# Allegro board 6089-103-RevA_73.brd (continued)
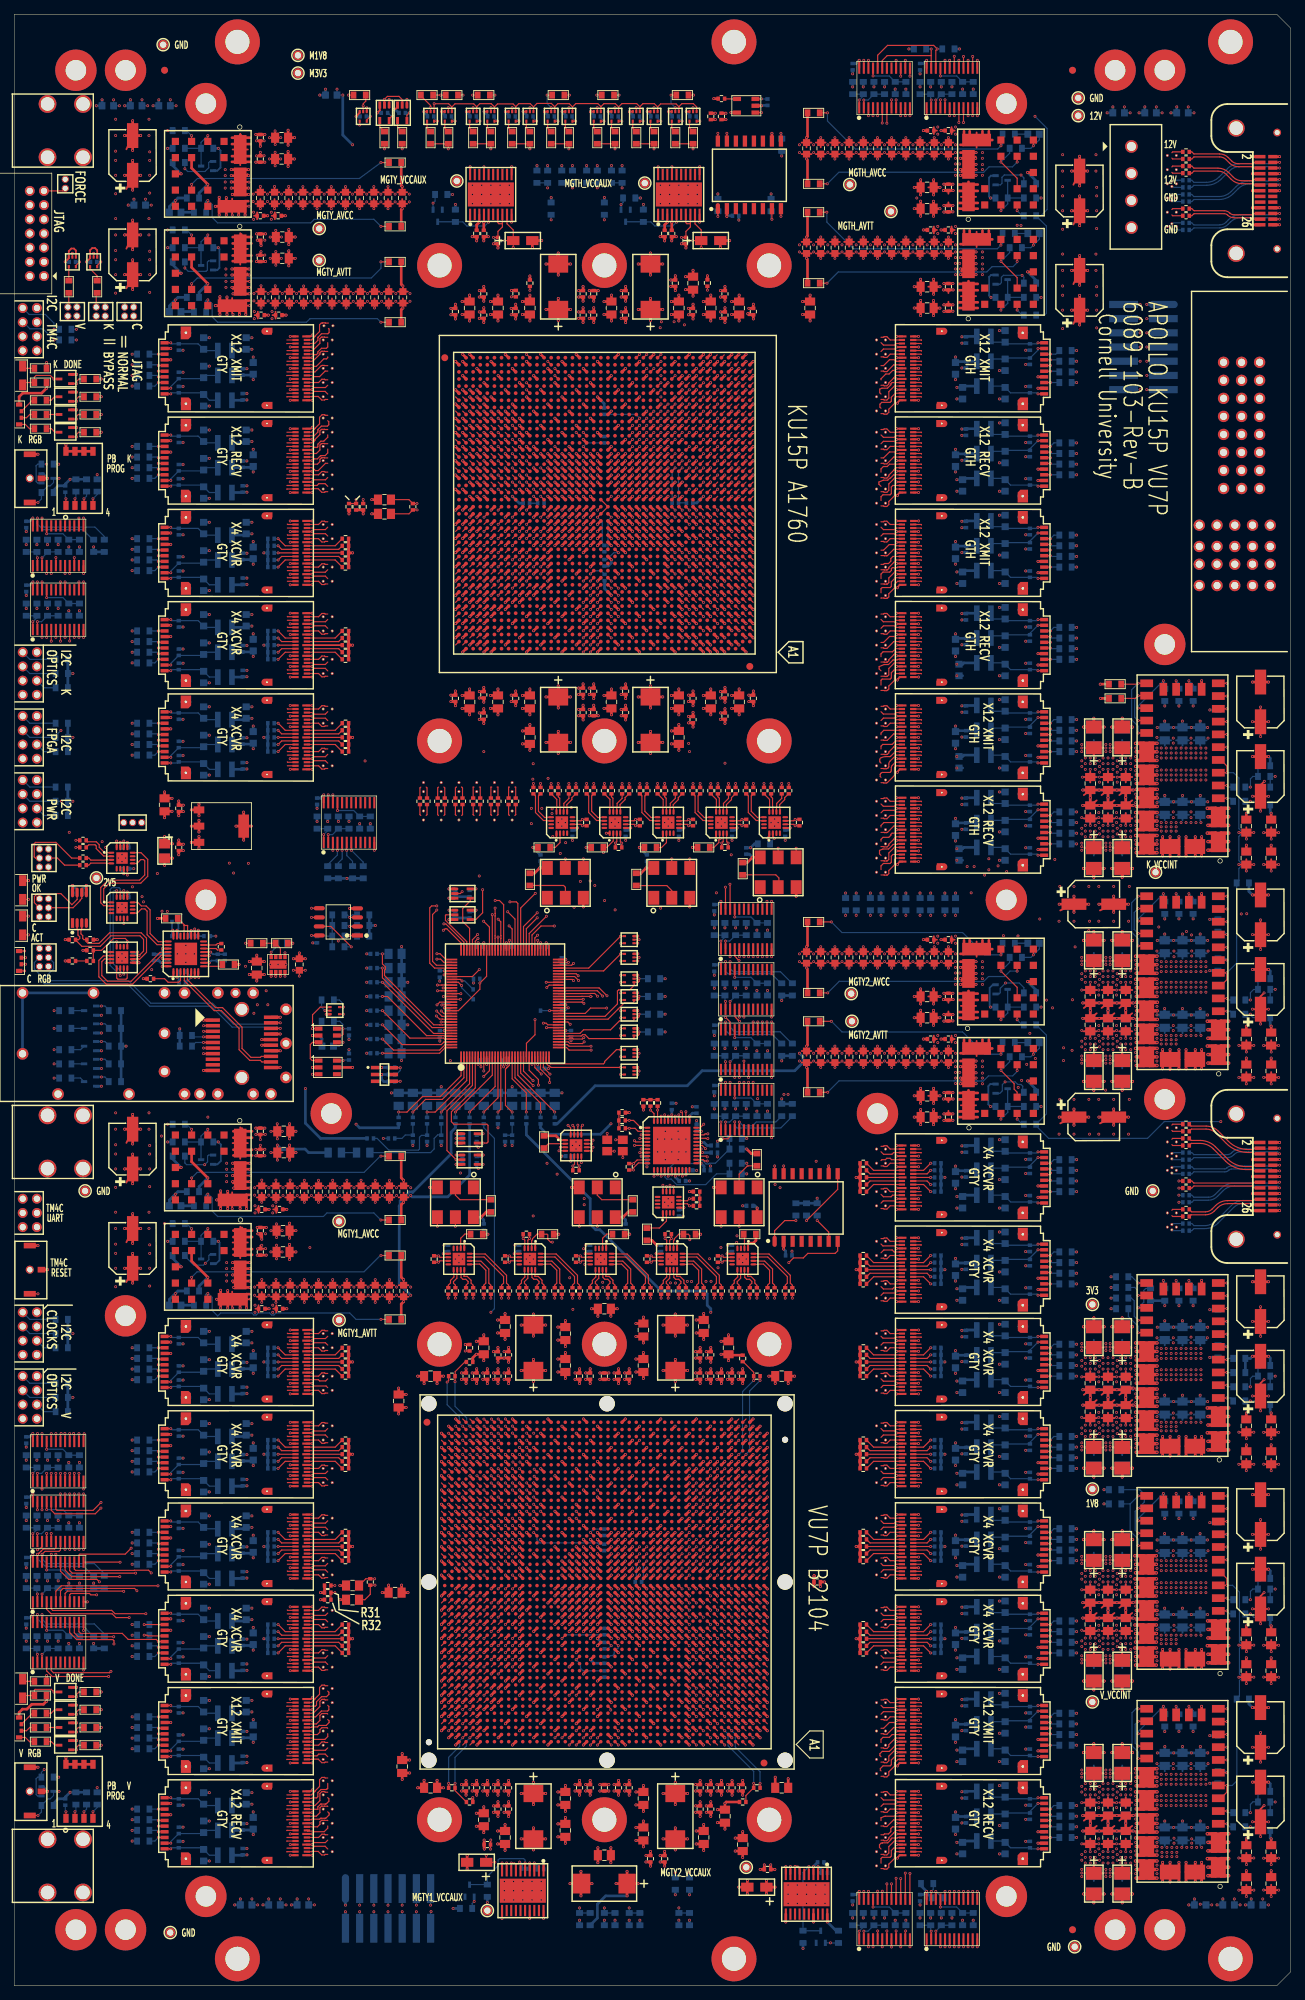
[diagram p0: board, top side]
## Routing (per net, layer and track width the routed paths; a pad name or vN(x,y) marks a point on that pad's centre or on a via; arc(x,y) is an arc through that point) (continued)
  GND4 w0.254: 121.15,161.09 VA98.4 ; VA98.4 121.38,160.49 ; VA98.4 121.24,160.58 ; VA98.4 121.18,160.9 ; VA98.4 121.24,161.22 ; VA98.4 121.15,160.71 ; VA98.4 121.56,160.52 ; VA98.4 121.56,161.28 ; 121.15,59.71 VA119.4 ; VA119.4 121.38,59.49 ; VA119.4 121.18,59.9 ; VA119.4 121.56,60.28 ; VA119.4 121.24,60.22 ; VA119.4 121.24,59.58 ; VA119.4 121.56,59.52 ; VA119.4 121.15,60.09 ; 44.84,210.52 VA11.4 ; VA11.4 45.25,211.09 ; VA11.4 45.22,210.9 ; VA11.4 44.84,211.28 ; VA11.4 45.16,210.58 ; VA11.4 45.16,211.22 ; VA11.4 45.25,210.71 ; VA11.4 45.02,211.31 ; 2.32,230.4 J2.8 ; J2.8 3.2,229.52 ; J2.8 3.2,231.28 ; J2.8 3.87,231.07 ; J2.8 2.53,229.73 ; J2.8 4.08,230.4 ; J2.8 2.53,231.07 ; J2.8 3.87,229.73 ; 43.38,83.49 43.56,83.9 ; 43.56,83.9 43.24,83.58 ; 43.56,83.9 43.15,83.71 ; 43.56,83.9 43.18,83.9 ; 43.56,83.9 43.24,84.22 ; 43.56,83.9 43.56,83.52 ; 43.56,83.9 43.56,84.28 ; 43.56,83.9 43.15,84.09 ; J1.7 4.87,247.57 ; J1.7 4.2,246.02 ; J1.7 4.2,247.78 ; J1.7 3.53,247.57 ; J1.7 3.53,246.23 ; J1.7 4.87,246.23 ; J1.7 5.08,246.9 ; J1.7 3.32,246.9 ; 121.18,22.9 VA133.4 ; VA133.4 121.15,22.71 ; VA133.4 121.56,23.28 ; VA133.4 121.15,23.09 ; VA133.4 121.56,22.52 ; VA133.4 121.38,22.49 ; VA133.4 121.24,22.58 ; VA133.4 121.24,23.22 ; VA12.4 45.25,205.71 ; VA12.4 45.16,205.58 ; VA12.4 45.25,206.09 ; VA12.4 44.84,206.28 ; VA12.4 45.22,205.9 ; VA12.4 45.16,206.22 ; VA12.4 45.02,206.31 ; VA12.4 44.84,205.52 ; J17.3 157.5,252.61 ; J17.3 157.5,250.48 ; J17.3 158.31,252.35 ; J17.3 156.69,252.35 ; J17.3 156.43,251.54 ; J17.3 158.31,250.74 ; J17.3 158.57,251.54 ; J17.3 156.69,250.74 ; 67.32,168.26 67.7,168.26 ; 67.7,168.26 67.51,167.85 ; 67.7,168.26 68.11,168.08 ; 67.7,168.26 68.08,168.26 ; 67.7,168.26 67.29,168.08 ; 67.7,168.26 68.02,167.94 ; 67.7,168.26 67.7,167.88 ; 67.7,168.26 67.38,167.94 ; 67.7,164.26 68.11,164.08 ; 67.7,164.26 67.32,164.26 ; 67.7,164.26 68.02,163.94 ; 67.7,164.26 67.29,164.08 ; 67.7,164.26 68.08,164.26 ; 67.7,164.26 67.51,163.85 ; 67.7,164.26 67.7,163.88 ; 67.7,164.26 67.38,163.94 ; 43.56,177.52 43.56,177.9 ; 43.56,177.9 43.56,178.28 ; 43.56,177.9 43.18,177.9 ; 43.56,177.9 43.15,177.71 ; 43.56,177.9 43.24,177.58 ; 43.56,177.9 43.38,177.49 ; 43.56,177.9 43.15,178.09 ; 43.56,177.9 43.24,178.22 ; VA128.3 123.02,34.31 ; VA128.3 123.25,33.71 ; VA128.3 123.22,33.9 ; VA128.3 123.25,34.09 ; VA128.3 123.16,34.22 ; VA128.3 122.83,34.28 ; VA128.3 122.83,33.52 ; VA128.3 123.16,33.58 ; 142.19,218.96 U105.G2 ; U105.G2 141.25,219.9 ; U105.G2 141.47,219.18 ; U105.G2 142.91,219.18 ; U105.G2 141.47,220.62 ; U105.G2 142.19,220.84 ; U105.G2 141.79,218.97 ; U105.G2 142.91,220.62 ; 121.18,31.9 VA129.4 ; VA129.4 121.24,32.22 ; VA129.4 121.56,31.52 ; VA129.4 121.56,32.28 ; VA129.4 121.24,31.58 ; VA129.4 121.38,31.49 ; VA129.4 121.15,32.09 ; VA129.4 121.15,31.71 ; 121.15,196.09 VA82.4 ; VA82.4 121.15,195.71 ; VA82.4 121.24,196.22 ; VA82.4 121.18,195.9 ; VA82.4 121.56,195.52 ; VA82.4 121.56,196.28 ; VA82.4 121.38,195.49 ; VA82.4 121.24,195.58 ; 43.24,173.58 43.56,173.9 ; 43.56,173.9 43.24,174.22 ; 43.56,173.9 43.15,173.71 ; 43.56,173.9 43.56,174.28 ; 43.56,173.9 43.18,173.9 ; 43.56,173.9 43.56,173.52 ; 43.56,173.9 43.38,173.49 ; 43.56,173.9 43.15,174.09 ; VA126.3 122.83,38.28 ; VA126.3 123.22,37.9 ; VA126.3 123.02,38.31 ; VA126.3 123.16,37.58 ; VA126.3 122.83,37.52 ; VA126.3 123.25,38.09 ; VA126.3 123.25,37.71 ; VA126.3 123.16,38.22 ; 43.24,32.22 43.56,31.9 ; 43.56,31.9 43.56,32.28 ; 43.56,31.9 43.15,31.71 ; 43.56,31.9 43.24,31.58 ; 43.56,31.9 43.38,31.49 ; 43.56,31.9 43.15,32.09 ; 43.56,31.9 43.18,31.9 ; 43.56,31.9 43.56,31.52 ; VA14.3 45.25,199.71 ; VA14.3 45.16,199.58 ; VA14.3 45.16,200.22 ; VA14.3 44.84,199.52 ; VA14.3 44.84,200.28 ; VA14.3 45.22,199.9 ; VA14.3 45.25,200.09 ; VA14.3 45.02,200.31 ; 37.31,127.99 U13.25 ; U13.25 38.31,128.99 ; U13.25 39.07,127.23 ; U13.25 39.07,128.75 ; U13.25 39.32,127.99 ; U13.25 37.55,127.23 ; U13.25 38.31,126.98 ; U13.25 37.55,128.75 ; 172.07,204.82 P1.P2-6 ; P1.P2-6 172.81,205.06 ; P1.P2-6 173.05,205.8 ; P1.P2-6 172.81,206.54 ; P1.P2-6 171.33,206.54 ; P1.P2-6 172.07,206.78 ; P1.P2-6 171.09,205.8 ; P1.P2-6 171.33,205.06 ; 62.7,168.26 63.02,167.94 ; 62.7,168.26 62.38,167.94 ; 62.7,168.26 63.11,168.08 ; 62.7,168.26 62.29,168.08 ; 62.7,168.26 62.32,168.26 ; 62.7,168.26 63.08,168.26 ; 62.7,168.26 62.51,167.85 ; 62.7,168.26 62.7,167.88 ; 122.83,72.52 VA115.3 ; VA115.3 123.02,73.31 ; VA115.3 123.16,73.22 ; VA115.3 123.25,73.09 ; VA115.3 123.16,72.58 ; VA115.3 123.25,72.71 ; VA115.3 123.22,72.9 ; VA115.3 122.83,73.28 ; J7.8 3.2,89.78 ; J7.8 2.53,89.57 ; J7.8 3.2,88.02 ; J7.8 3.87,89.57 ; J7.8 4.08,88.9 ; J7.8 2.53,88.23 ; J7.8 2.32,88.9 ; J7.8 3.87,88.23 ; VA139.4 162.56,254.28 ; VA139.4 162.15,253.71 ; VA139.4 162.15,254.09 ; VA139.4 162.38,253.49 ; VA139.4 162.24,253.58 ; VA139.4 162.56,253.52 ; VA139.4 162.18,253.9 ; VA139.4 162.24,254.22 ; J1.1 5.08,240.9 ; J1.1 3.32,240.9 ; J1.1 4.87,241.57 ; J1.1 3.53,241.57 ; J1.1 4.2,241.78 ; J1.1 3.53,240.23 ; J1.1 4.2,240.02 ; J1.1 4.87,240.23 ; 162.24,250.22 VA141.4 ; VA141.4 162.38,249.49 ; VA141.4 162.56,249.52 ; VA141.4 162.24,249.58 ; VA141.4 162.15,249.71 ; VA141.4 162.15,250.09 ; VA141.4 162.56,250.28 ; VA141.4 162.18,249.9 ; VA94.3 123.25,170.09 ; VA94.3 122.83,169.52 ; VA94.3 122.83,170.28 ; VA94.3 123.25,169.71 ; VA94.3 123.02,170.31 ; VA94.3 123.22,169.9 ; VA94.3 123.16,169.58 ; VA94.3 123.16,170.22 ; 163.84,251.9 164.02,252.31 ; 163.84,251.9 163.84,252.28 ; 163.84,251.9 164.25,251.71 ; 163.84,251.9 164.22,251.9 ; 163.84,251.9 164.16,252.22 ; 163.84,251.9 164.16,251.58 ; 163.84,251.9 163.84,251.52 ; 163.84,251.9 164.25,252.09 ; 43.15,21.09 43.56,20.9 ; 43.56,20.9 43.24,21.22 ; 43.56,20.9 43.18,20.9 ; 43.56,20.9 43.24,20.58 ; 43.56,20.9 43.56,20.52 ; 43.56,20.9 43.38,20.49 ; 43.56,20.9 43.56,21.28 ; 43.56,20.9 43.15,20.71 ; VA8.4 45.25,216.71 ; VA8.4 45.25,217.09 ; VA8.4 45.02,217.31 ; VA8.4 44.84,216.52 ; VA8.4 45.16,217.22 ; VA8.4 45.16,216.58 ; VA8.4 44.84,217.28 ; VA8.4 45.22,216.9 ; VA37.4 44.84,51.28 ; VA37.4 45.16,51.22 ; VA37.4 45.22,50.9 ; VA37.4 45.16,50.58 ; VA37.4 45.25,51.09 ; VA37.4 45.25,50.71 ; VA37.4 44.84,50.52 ; VA37.4 45.02,51.31 ; U114.G2 142.91,67.62 ; U114.G2 141.47,66.18 ; U114.G2 141.79,65.97 ; U114.G2 142.19,67.84 ; U114.G2 141.47,67.62 ; U114.G2 142.19,65.96 ; U114.G2 141.25,66.9 ; U114.G2 142.91,66.18 ; VA95.3 122.83,167.28 ; VA95.3 123.02,167.31 ; VA95.3 123.16,166.58 ; VA95.3 123.22,166.9 ; VA95.3 123.25,166.71 ; VA95.3 123.16,167.22 ; VA95.3 122.83,166.52 ; VA95.3 123.25,167.09 ; 44.94,233.9 45.35,234.09 ; 44.94,233.9 45.12,234.31 ; 44.94,233.9 44.94,233.52 ; 44.94,233.9 45.32,233.9 ; 44.94,233.9 45.26,233.58 ; 44.94,233.9 45.35,233.71 ; 44.94,233.9 45.26,234.22 ; 44.94,233.9 44.94,234.28 ; 23.81,65.97 U27.G1 ; U27.G1 24.21,65.96 ; U27.G1 24.21,67.84 ; U27.G1 24.93,66.18 ; U27.G1 25.15,66.9 ; U27.G1 23.49,67.62 ; U27.G1 24.93,67.62 ; U27.G1 23.49,66.18 ; 163.84,114.52 163.84,114.9 ; 163.84,114.9 164.16,114.58 ; 163.84,114.9 163.84,115.28 ; 163.84,114.9 164.22,114.9 ; 163.84,114.9 164.02,115.31 ; 163.84,114.9 164.25,115.09 ; 163.84,114.9 164.25,114.71 ; 163.84,114.9 164.16,115.22 ; 141.79,179.97 U108.G2 ; U108.G2 141.47,181.62 ; U108.G2 142.19,179.96 ; U108.G2 141.47,180.18 ; U108.G2 142.91,181.62 ; U108.G2 141.25,180.9 ; U108.G2 142.91,180.18 ; U108.G2 142.19,181.84 ; 43.15,23.09 43.56,22.9 ; 43.56,22.9 43.18,22.9 ; 43.56,22.9 43.38,22.49 ; 43.56,22.9 43.15,22.71 ; 43.56,22.9 43.24,22.58 ; 43.56,22.9 43.24,23.22 ; 43.56,22.9 43.56,23.28 ; 43.56,22.9 43.56,22.52 ; 24.21,221.96 U20.G2 ; U20.G2 23.49,222.18 ; U20.G2 24.93,223.62 ; U20.G2 25.15,222.9 ; U20.G2 24.93,222.18 ; U20.G2 23.49,223.62 ; U20.G2 23.81,221.97 ; U20.G2 24.21,223.84 ; 43.38,26.49 43.56,26.9 ; 43.56,26.9 43.56,26.52 ; 43.56,26.9 43.24,26.58 ; 43.56,26.9 43.24,27.22 ; 43.56,26.9 43.56,27.28 ; 43.56,26.9 43.15,27.09 ; 43.56,26.9 43.18,26.9 ; 43.56,26.9 43.15,26.71 ; U106.G1 142.91,197.62 ; U106.G1 142.19,195.96 ; U106.G1 141.79,195.97 ; U106.G1 141.25,196.9 ; U106.G1 142.91,196.18 ; U106.G1 142.19,197.84 ; U106.G1 141.47,196.18 ; U106.G1 141.47,197.62 ; 142.19,81.96 U112.G1 ; U112.G1 142.19,83.84 ; U112.G1 141.47,83.62 ; U112.G1 142.91,82.18 ; U112.G1 141.47,82.18 ; U112.G1 141.25,82.9 ; U112.G1 141.79,81.97 ; U112.G1 142.91,83.62 ; 33.69,124.65 U13.27 ; U13.27 32.93,124.89 ; U13.27 32.93,126.41 ; U13.27 34.69,125.65 ; U13.27 34.45,124.89 ; U13.27 34.45,126.41 ; U13.27 32.69,125.65 ; U13.27 33.69,126.65 ; U13.38 21.19,140.78 ; U13.38 22.07,139.9 ; U13.38 20.32,139.9 ; U13.38 21.86,139.23 ; U13.38 20.52,140.57 ; U13.38 21.19,139.02 ; U13.38 21.86,140.57 ; U13.38 20.52,139.23 ; 162.15,118.71 VA144.4 ; VA144.4 162.56,118.52 ; VA144.4 162.15,119.09 ; VA144.4 162.24,118.58 ; VA144.4 162.38,118.49 ; VA144.4 162.56,119.28 ; VA144.4 162.24,119.22 ; VA144.4 162.18,118.9 ; VA55.4 60.61,169.72 ; VA55.4 60.52,169.86 ; VA55.4 60.2,169.92 ; VA55.4 60.58,169.53 ; VA55.4 59.82,169.53 ; VA55.4 60.39,169.95 ; VA55.4 59.79,169.72 ; VA55.4 59.88,169.86 ; 121.56,186.52 VA86.4 ; VA86.4 121.38,186.49 ; VA86.4 121.56,187.28 ; VA86.4 121.15,187.09 ; VA86.4 121.15,186.71 ; VA86.4 121.24,187.22 ; VA86.4 121.18,186.9 ; VA86.4 121.24,186.58 ; VA133.3 123.02,23.31 ; VA133.3 123.25,22.71 ; VA133.3 122.83,23.28 ; VA133.3 123.22,22.9 ; VA133.3 122.83,22.52 ; VA133.3 123.16,23.22 ; VA133.3 123.16,22.58 ; VA133.3 123.25,23.09 ; J7.7 1.87,88.23 ; J7.7 2.07,89.28 ; J7.7 1.58,89.77 ; J7.7 2.07,88.52 ; J7.7 1.87,89.57 ; J7.7 2.08,88.9 ; J7.7 1.2,88.02 ; J7.7 1.2,89.78 ; U25.G1 24.93,92.18 ; U25.G1 24.21,93.84 ; U25.G1 24.21,91.96 ; U25.G1 23.49,92.18 ; U25.G1 23.81,91.97 ; U25.G1 23.49,93.62 ; U25.G1 24.93,93.62 ; U25.G1 25.15,92.9 ; VA146.4 162.56,115.28 ; VA146.4 162.24,114.58 ; VA146.4 162.56,114.52 ; VA146.4 162.18,114.9 ; VA146.4 162.15,114.71 ; VA146.4 162.24,115.22 ; VA146.4 162.15,115.09 ; VA146.4 162.38,114.49 ; J5.7 2.08,163.9 ; J5.7 1.2,163.02 ; J5.7 1.2,164.78 ; J5.7 1.87,164.57 ; J5.7 1.58,164.77 ; J5.7 2.07,163.52 ; J5.7 2.07,164.28 ; J5.7 1.87,163.23 ; 121.38,102.49 VA106.3 ; VA106.3 121.18,102.9 ; VA106.3 121.15,102.71 ; VA106.3 121.56,103.28 ; VA106.3 121.15,103.09 ; VA106.3 121.24,102.58 ; VA106.3 121.56,102.52 ; VA106.3 121.24,103.22 ; 142.19,117.96 U110.G2 ; U110.G2 141.79,117.97 ; U110.G2 141.47,118.18 ; U110.G2 141.47,119.62 ; U110.G2 141.25,118.9 ; U110.G2 142.91,118.18 ; U110.G2 142.19,119.84 ; U110.G2 142.91,119.62 ; 23.81,78.97 U26.G1 ; U26.G1 24.21,78.96 ; U26.G1 24.21,80.84 ; U26.G1 25.15,79.9 ; U26.G1 24.93,80.62 ; U26.G1 23.49,80.62 ; U26.G1 24.93,79.18 ; U26.G1 23.49,79.18 ; 57.38,167.94 57.7,168.26 ; 57.7,168.26 57.7,167.88 ; 57.7,168.26 58.08,168.26 ; 57.7,168.26 58.11,168.08 ; 57.7,168.26 57.51,167.85 ; 57.7,168.26 57.32,168.26 ; 57.7,168.26 57.29,168.08 ; 57.7,168.26 58.02,167.94 ; VA24.4 44.84,92.28 ; VA24.4 45.02,92.31 ; VA24.4 45.22,91.9 ; VA24.4 45.16,91.58 ; VA24.4 45.16,92.22 ; VA24.4 44.84,91.52 ; VA24.4 45.25,92.09 ; VA24.4 45.25,91.71 ; 121.56,115.52 VA102.3 ; VA102.3 121.24,116.22 ; VA102.3 121.56,116.28 ; VA102.3 121.38,115.49 ; VA102.3 121.18,115.9 ; VA102.3 121.24,115.58 ; VA102.3 121.15,116.09 ; VA102.3 121.15,115.71 ; VA29.4 45.16,76.58 ; VA29.4 45.02,77.31 ; VA29.4 45.25,76.71 ; VA29.4 45.22,76.9 ; VA29.4 44.84,77.28 ; VA29.4 45.16,77.22 ; VA29.4 44.84,76.52 ; VA29.4 45.25,77.09 ; U110.G1 142.19,109.84 ; U110.G1 141.25,108.9 ; U110.G1 141.47,109.62 ; U110.G1 142.19,107.96 ; U110.G1 141.47,108.18 ; U110.G1 142.91,109.62 ; U110.G1 142.91,108.18 ; U110.G1 141.79,107.97 ; 142.19,205.96 U106.G2 ; U106.G2 142.91,206.18 ; U106.G2 141.47,207.62 ; U106.G2 141.25,206.9 ; U106.G2 142.19,207.84 ; U106.G2 142.91,207.62 ; U106.G2 141.47,206.18 ; U106.G2 141.79,205.97 ; VA45.4 45.16,31.58 ; VA45.4 45.22,31.9 ; VA45.4 44.84,32.28 ; VA45.4 45.16,32.22 ; VA45.4 44.84,31.52 ; VA45.4 45.25,32.09 ; VA45.4 45.25,31.71 ; VA45.4 45.02,32.31 ; VA98.3 122.83,161.28 ; VA98.3 123.02,161.31 ; VA98.3 123.22,160.9 ; VA98.3 123.25,160.71 ; VA98.3 123.16,161.22 ; VA98.3 123.25,161.09 ; VA98.3 123.16,160.58 ; VA98.3 122.83,160.52 ; P1.10 173.77,212.77 ; P1.10 172.05,213.51 ; P1.10 174.01,213.51 ; P1.10 173.03,214.49 ; P1.10 173.03,212.53 ; P1.10 172.29,214.25 ; P1.10 172.29,212.77 ; P1.10 173.77,214.25 ; 176.09,202.8 P1.P2-1 ; P1.P2-1 176.33,203.54 ; P1.P2-1 176.33,202.06 ; P1.P2-1 177.81,202.06 ; P1.P2-1 177.81,203.54 ; P1.P2-1 177.07,203.78 ; P1.P2-1 177.07,201.82 ; P1.P2-1 178.05,202.8 ; 43.15,179.71 43.56,179.9 ; 43.56,179.9 43.15,180.09 ; 43.56,179.9 43.56,179.52 ; 43.56,179.9 43.24,180.22 ; 43.56,179.9 43.24,179.58 ; 43.56,179.9 43.56,180.28 ; 43.56,179.9 43.18,179.9 ; 43.56,179.9 43.38,179.49 ; 162.38,120.49 VA143.4 ; VA143.4 162.18,120.9 ; VA143.4 162.24,121.22 ; VA143.4 162.15,120.71 ; VA143.4 162.56,121.28 ; VA143.4 162.15,121.09 ; VA143.4 162.24,120.58 ; VA143.4 162.56,120.52 ; 162.38,247.49 VA142.4 ; VA142.4 162.24,247.58 ; VA142.4 162.56,247.52 ; VA142.4 162.15,247.71 ; VA142.4 162.15,248.09 ; VA142.4 162.56,248.28 ; VA142.4 162.24,248.22 ; VA142.4 162.18,247.9 ; 43.15,216.71 43.56,216.9 ; 43.56,216.9 43.15,217.09 ; 43.56,216.9 43.24,217.22 ; 43.56,216.9 43.56,216.52 ; 43.56,216.9 43.18,216.9 ; 43.56,216.9 43.24,216.58 ; 43.56,216.9 43.56,217.28 ; 43.56,216.9 43.38,216.49 ; VA85.3 123.16,189.22 ; VA85.3 123.16,188.58 ; VA85.3 123.02,189.31 ; VA85.3 122.83,189.28 ; VA85.3 123.25,188.71 ; VA85.3 123.25,189.09 ; VA85.3 123.22,188.9 ; VA85.3 122.83,188.52 ; 121.15,162.71 VA97.4 ; VA97.4 121.56,162.52 ; VA97.4 121.24,162.58 ; VA97.4 121.18,162.9 ; VA97.4 121.56,163.28 ; VA97.4 121.15,163.09 ; VA97.4 121.38,162.49 ; VA97.4 121.24,163.22 ; VA89.3 123.02,180.31 ; VA89.3 123.22,179.9 ; VA89.3 123.16,179.58 ; VA89.3 122.83,179.52 ; VA89.3 123.16,180.22 ; VA89.3 122.83,180.28 ; VA89.3 123.25,179.71 ; VA89.3 123.25,180.09 ; 142.19,104.96 U111.G2 ; U111.G2 142.91,105.18 ; U111.G2 142.91,106.62 ; U111.G2 141.47,106.62 ; U111.G2 141.79,104.97 ; U111.G2 141.47,105.18 ; U111.G2 142.19,106.84 ; U111.G2 141.25,105.9 ; U109.G1 142.19,158.84 ; U109.G1 142.91,157.18 ; U109.G1 141.47,157.18 ; U109.G1 141.79,156.97 ; U109.G1 141.25,157.9 ; U109.G1 142.19,156.96 ; U109.G1 142.91,158.62 ; U109.G1 141.47,158.62 ; 172.05,221.13 P1.13 ; P1.13 173.03,220.15 ; P1.13 172.29,220.39 ; P1.13 173.77,220.39 ; P1.13 173.03,222.11 ; P1.13 174.01,221.13 ; P1.13 172.29,221.87 ; P1.13 173.77,221.87 ; VA42.4 44.84,38.28 ; VA42.4 45.25,38.09 ; VA42.4 45.22,37.9 ; VA42.4 44.84,37.52 ; VA42.4 45.25,37.71 ; VA42.4 45.16,37.58 ; VA42.4 45.16,38.22 ; VA42.4 45.02,38.31 ; VA6.4 45.02,221.31 ; VA6.4 45.25,221.09 ; VA6.4 44.84,220.52 ; VA6.4 45.25,220.71 ; VA6.4 45.22,220.9 ; VA6.4 45.16,221.22 ; VA6.4 44.84,221.28 ; VA6.4 45.16,220.58 ; 62.38,165.86 VA58.4 ; VA58.4 62.29,165.72 ; VA58.4 62.89,165.95 ; VA58.4 62.32,165.53 ; VA58.4 62.7,165.92 ; VA58.4 63.11,165.72 ; VA58.4 63.08,165.53 ; VA58.4 63.02,165.86 ; 43.24,85.58 43.56,85.9 ; 43.56,85.9 43.38,85.49 ; 43.56,85.9 43.56,85.52 ; 43.56,85.9 43.15,86.09 ; 43.56,85.9 43.56,86.28 ; 43.56,85.9 43.15,85.71 ; 43.56,85.9 43.18,85.9 ; 43.56,85.9 43.24,86.22 ; VA44.4 45.22,33.9 ; VA44.4 45.02,34.31 ; VA44.4 45.25,34.09 ; VA44.4 44.84,34.28 ; VA44.4 45.25,33.71 ; VA44.4 45.16,34.22 ; VA44.4 44.84,33.52 ; VA44.4 45.16,33.58 ; 121.15,197.71 VA81.4 ; VA81.4 121.18,197.9 ; VA81.4 121.15,198.09 ; VA81.4 121.56,197.52 ; VA81.4 121.24,197.58 ; VA81.4 121.24,198.22 ; VA81.4 121.38,197.49 ; VA81.4 121.56,198.28 ; VA43.4 44.84,36.28 ; VA43.4 45.16,36.22 ; VA43.4 45.02,36.31 ; VA43.4 45.25,35.71 ; VA43.4 45.22,35.9 ; VA43.4 45.25,36.09 ; VA43.4 45.16,35.58 ; VA43.4 44.84,35.52 ; 162.15,106.71 VA148.4 ; VA148.4 162.24,106.58 ; VA148.4 162.56,107.28 ; VA148.4 162.56,106.52 ; VA148.4 162.18,106.9 ; VA148.4 162.24,107.22 ; VA148.4 162.15,107.09 ; VA148.4 162.38,106.49 ; 166.33,202.06 P1.P2-9 ; P1.P2-9 167.81,202.06 ; P1.P2-9 167.07,201.82 ; P1.P2-9 168.05,202.8 ; P1.P2-9 166.33,203.54 ; P1.P2-9 167.07,203.78 ; P1.P2-9 167.81,203.54 ; P1.P2-9 166.09,202.8 ; VA101.4 123.22,117.9 ; VA101.4 123.16,118.22 ; VA101.4 123.25,118.09 ; VA101.4 123.25,117.71 ; VA101.4 123.16,117.58 ; VA101.4 122.83,117.52 ; VA101.4 122.83,118.28 ; VA101.4 123.02,118.31 ; 168.83,202.06 P1.P2-7 ; P1.P2-7 170.31,202.06 ; P1.P2-7 168.59,202.8 ; P1.P2-7 169.57,201.82 ; P1.P2-7 170.31,203.54 ; P1.P2-7 170.55,202.8 ; P1.P2-7 168.83,203.54 ; P1.P2-7 169.57,203.78 ; 43.38,70.49 43.56,70.9 ; 43.56,70.9 43.24,70.58 ; 43.56,70.9 43.56,70.52 ; 43.56,70.9 43.56,71.28 ; 43.56,70.9 43.15,71.09 ; 43.56,70.9 43.24,71.22 ; 43.56,70.9 43.18,70.9 ; 43.56,70.9 43.15,70.71 ; 163.84,253.9 164.02,254.31 ; 163.84,253.9 163.84,253.52 ; 163.84,253.9 164.25,254.09 ; 163.84,253.9 164.16,253.58 ; 163.84,253.9 163.84,254.28 ; 163.84,253.9 164.25,253.71 ; 163.84,253.9 164.16,254.22 ; 163.84,253.9 164.22,253.9 ; VA50.4 45.25,21.09 ; VA50.4 45.22,20.9 ; VA50.4 45.16,21.22 ; VA50.4 45.16,20.58 ; VA50.4 45.02,21.31 ; VA50.4 45.25,20.71 ; VA50.4 44.84,20.52 ; VA50.4 44.84,21.28 ; 36.2,124.77 U13.26 ; U13.26 35.53,126.32 ; U13.26 37.08,125.65 ; U13.26 36.87,126.32 ; U13.26 35.33,125.65 ; U13.26 36.2,126.53 ; U13.26 35.53,124.98 ; U13.26 36.87,124.98 ; 20.52,128.16 U13.37 ; U13.37 21.19,127.95 ; U13.37 20.32,128.83 ; U13.37 21.19,129.7 ; U13.37 21.86,128.16 ; U13.37 20.52,129.5 ; U13.37 21.86,129.5 ; U13.37 22.07,128.83 ; J2.7 1.2,231.28 ; J2.7 1.87,231.07 ; J2.7 1.87,229.73 ; J2.7 2.07,230.78 ; J2.7 2.07,230.02 ; J2.7 1.2,229.52 ; J2.7 2.08,230.4 ; J2.7 1.58,231.27 ; 21.12,7.5 PM26.1 ; PM26.1 21.33,8.17 ; PM26.1 22,6.62 ; PM26.1 21.33,6.83 ; PM26.1 22,8.38 ; PM26.1 22.67,6.83 ; PM26.1 22.67,8.17 ; PM26.1 22.88,7.5 ; VA41.4 45.02,40.31 ; VA41.4 45.16,39.58 ; VA41.4 44.84,40.28 ; VA41.4 45.16,40.22 ; VA41.4 44.84,39.52 ; VA41.4 45.22,39.9 ; VA41.4 45.25,40.09 ; VA41.4 45.25,39.71 ; 23.49,209.18 U21.G2 ; U21.G2 24.21,208.96 ; U21.G2 25.15,209.9 ; U21.G2 24.21,210.84 ; U21.G2 23.81,208.97 ; U21.G2 24.93,209.18 ; U21.G2 24.93,210.62 ; U21.G2 23.49,210.62 ; 141.47,167.18 U109.G2 ; U109.G2 141.79,166.97 ; U109.G2 142.19,166.96 ; U109.G2 142.91,167.18 ; U109.G2 141.47,168.62 ; U109.G2 142.91,168.62 ; U109.G2 141.25,167.9 ; U109.G2 142.19,168.84 ; VA119.3 123.25,60.09 ; VA119.3 123.16,59.58 ; VA119.3 122.83,59.52 ; VA119.3 123.25,59.71 ; VA119.3 123.22,59.9 ; VA119.3 122.83,60.28 ; VA119.3 123.16,60.22 ; VA119.3 123.02,60.31 ; P1.P2-2 177.81,205.06 ; P1.P2-2 178.05,205.8 ; P1.P2-2 176.33,206.54 ; P1.P2-2 176.09,205.8 ; P1.P2-2 177.07,204.82 ; P1.P2-2 177.07,206.78 ; P1.P2-2 176.33,205.06 ; P1.P2-2 177.81,206.54 ; VA69.3 123.02,224.31 ; VA69.3 122.83,224.28 ; VA69.3 123.25,223.71 ; VA69.3 123.16,223.58 ; VA69.3 123.25,224.09 ; VA69.3 123.16,224.22 ; VA69.3 122.83,223.52 ; VA69.3 123.22,223.9 ; VA61.4 68.11,169.72 ; VA61.4 67.7,169.92 ; VA61.4 68.02,169.86 ; VA61.4 67.29,169.72 ; VA61.4 67.89,169.95 ; VA61.4 67.32,169.53 ; VA61.4 67.38,169.86 ; VA61.4 68.08,169.53 ; 43.15,215.09 43.56,214.9 ; 43.56,214.9 43.56,214.52 ; 43.56,214.9 43.24,215.22 ; 43.56,214.9 43.56,215.28 ; 43.56,214.9 43.38,214.49 ; 43.56,214.9 43.24,214.58 ; 43.56,214.9 43.18,214.9 ; 43.56,214.9 43.15,214.71 ; 43.56,197.9 43.56,198.28 ; 43.56,197.9 43.24,197.58 ; 43.56,197.9 43.56,197.52 ; 43.56,197.9 43.24,198.22 ; 43.56,197.9 43.15,198.09 ; 43.56,197.9 43.18,197.9 ; 43.56,197.9 43.38,197.49 ; 43.56,197.9 43.15,197.71 ; 43.56,78.9 43.56,79.28 ; 43.56,78.9 43.15,78.71 ; 43.56,78.9 43.18,78.9 ; 43.56,78.9 43.24,78.58 ; 43.56,78.9 43.24,79.22 ; 43.56,78.9 43.15,79.09 ; 43.56,78.9 43.38,78.49 ; 43.56,78.9 43.56,78.52 ; 43.24,59.58 43.56,59.9 ; 43.56,59.9 43.56,60.28 ; 43.56,59.9 43.15,59.71 ; 43.56,59.9 43.56,59.52 ; 43.56,59.9 43.38,59.49 ; 43.56,59.9 43.15,60.09 ; 43.56,59.9 43.18,59.9 ; 43.56,59.9 43.24,60.22 ; VA127.3 123.16,35.58 ; VA127.3 123.02,36.31 ; VA127.3 123.16,36.22 ; VA127.3 123.22,35.9 ; VA127.3 123.25,35.71 ; VA127.3 122.83,36.28 ; VA127.3 122.83,35.52 ; VA127.3 123.25,36.09 ; VA51.4 45.02,19.31 ; VA51.4 45.16,18.58 ; VA51.4 45.22,18.9 ; VA51.4 45.25,18.71 ; VA51.4 45.25,19.09 ; VA51.4 44.84,19.28 ; VA51.4 45.16,19.22 ; VA51.4 44.84,18.52 ; J5.8 4.08,163.9 ; J5.8 2.32,163.9 ; J5.8 3.87,164.57